# Allegro board 8880F5-0820_5.brd (continued)
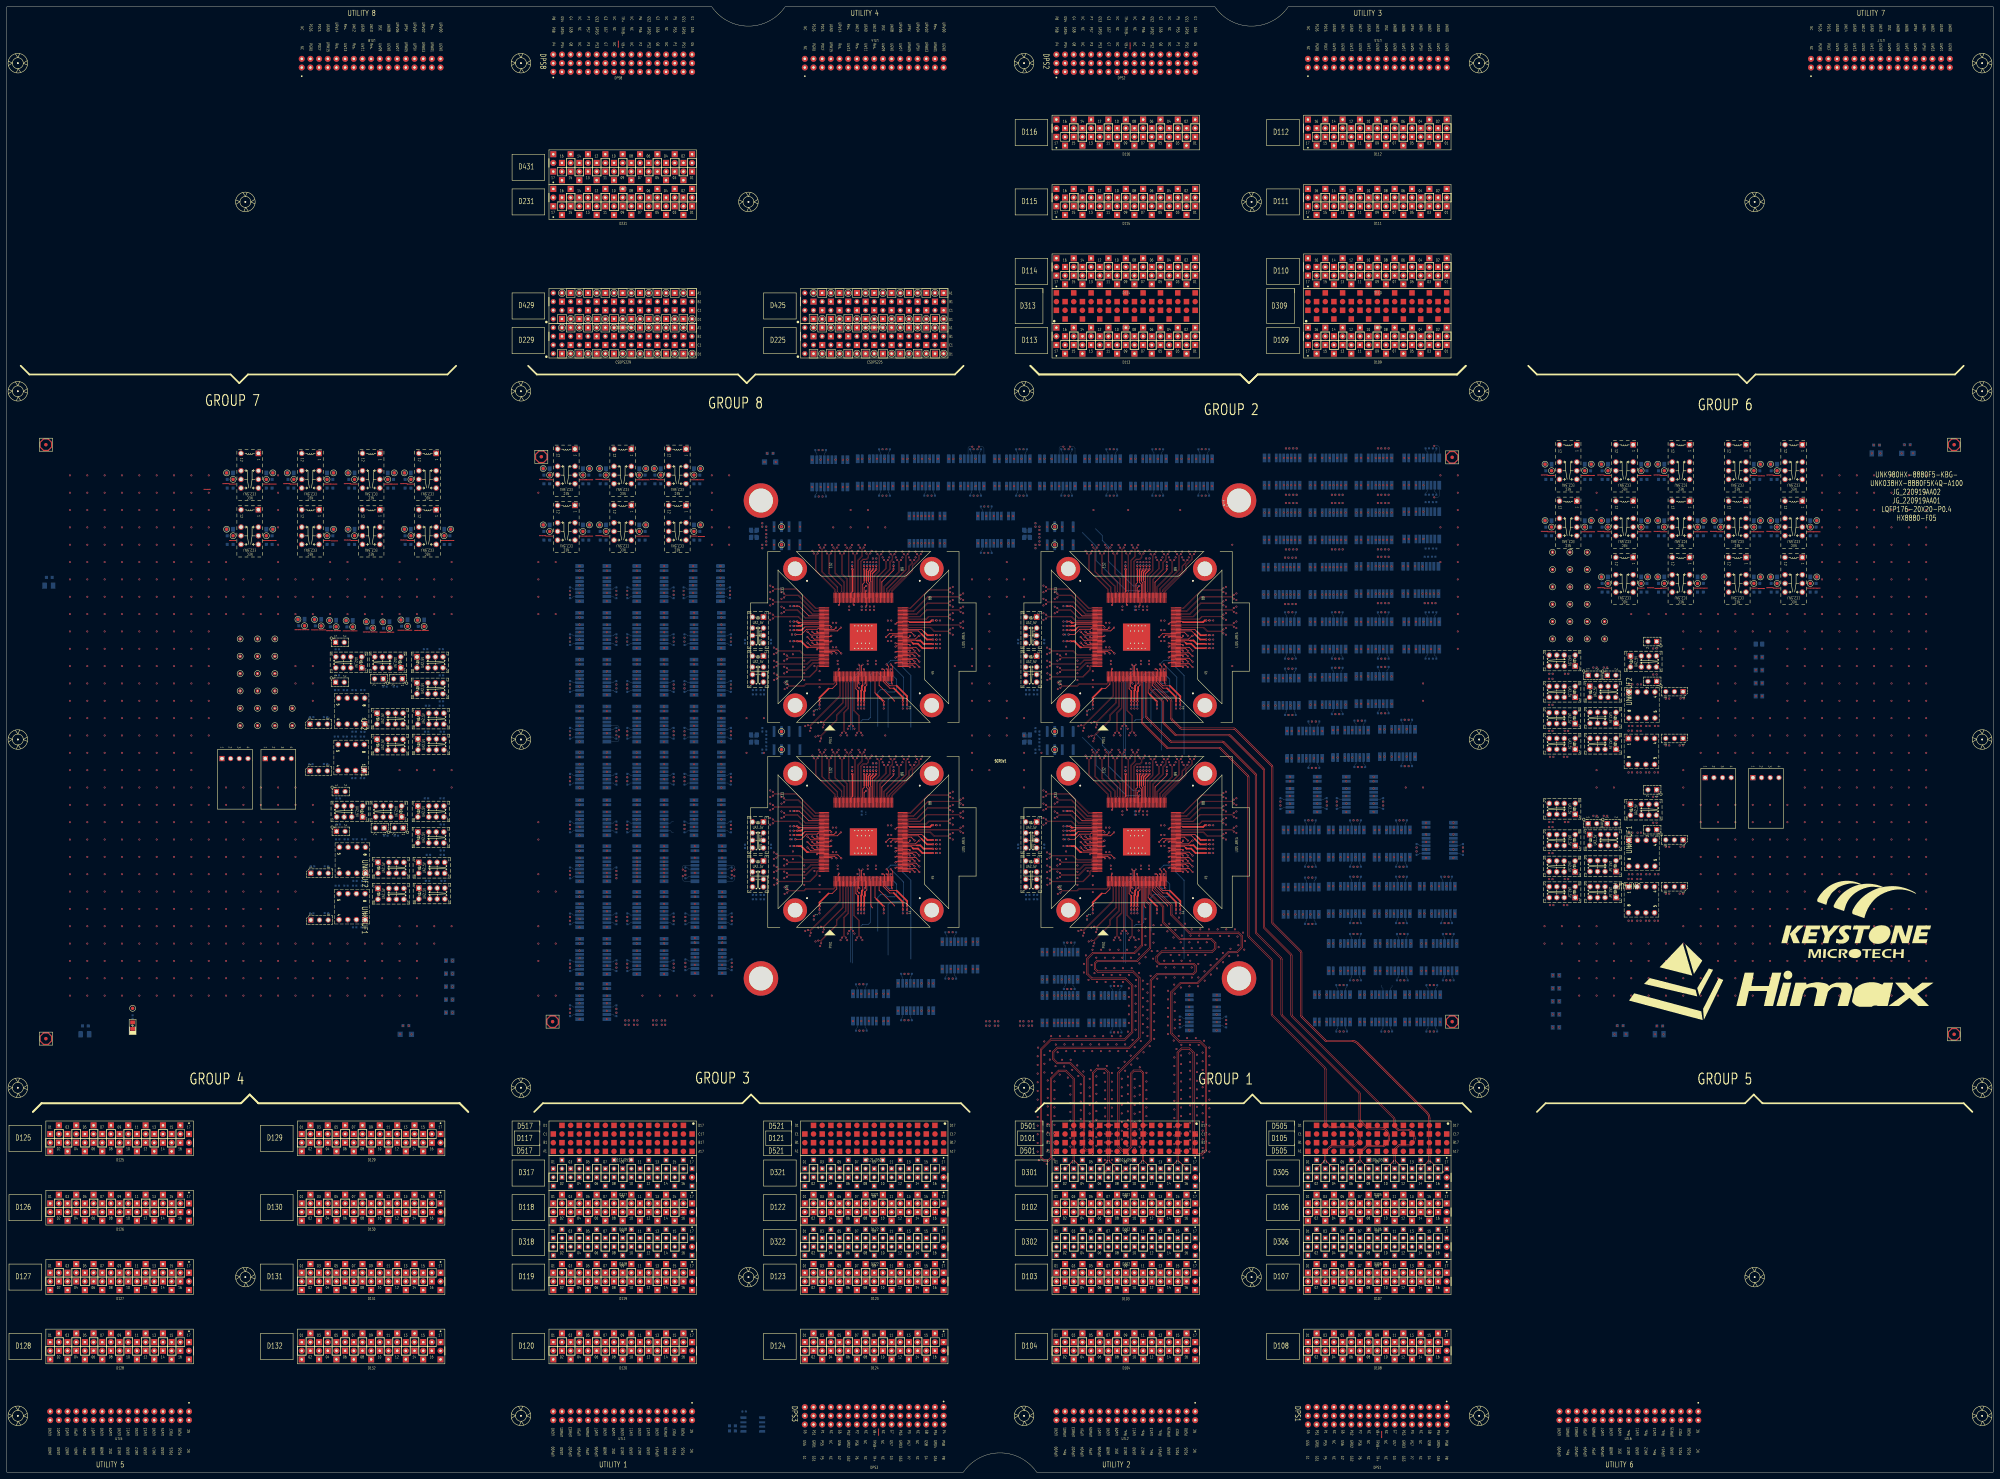
[diagram p0: board, top side]
## Routing (per net, layer and track width the routed paths; a pad name or vN(x,y) marks a point on that pad's centre or on a via; arc(x,y) is an arc through that point) (continued)
S1_DPS_F_012: length 8
  TOP w0.231: 232.2,248.83 SITE1.144
  TOP w0.508: v1(231.44,249.2) 231.81,248.83 232.2,248.83
  vias: v1(229.4,249.2)
S1_ISP00+: length 14.6
  TOP w0.086: v1(276.24,245.73) 275.81,246.16 271.56,246.16 270.41,247.31 264.06,247.31 263.98,247.23 SITE1.73
  vias: v1(270.04,280.1)
S1_ISP00-: length 14.6
  TOP w0.086: SITE1.74 263.98,247.63 264.06,247.55 270.51,247.55 271.66,246.4 275.77,246.4 v1(276.24,246.87)
  vias: v1(270.04,272.1)
S1_ISP14+: length 14.8
  TOP w0.086: v1(252.86,269.15) 252.42,268.71 252.42,267.92 251.76,267.26 250.73,267.26 250.15,266.68 250.15,257.86 250.23,257.78 SITE1.112
  vias: v1(265.64,280.1)
S1_ISP14-: length 14.8
  TOP w0.086: v1(251.72,269.15) 252.18,268.69 252.18,268.02 251.66,267.5 250.63,267.5 249.91,266.78 249.91,257.86 249.83,257.78 SITE1.113
  vias: v1(265.64,272.1)
S1_ISP_1LOCK:
  vias: v1(229.91,245.39)
S1_M_DPS_F_001: length 45.2
  TOP w0.231: SITE1.39 257.43,231.49 258.54,230.37 260.57,230.37 ; SITE1.147 233.7,247.63 233.24,247.18 ; 266.49,243.63 SITE1.64 ; 250.63,230.54 SITE1.22 ; SITE1.104 253.43,263.21
  TOP w0.381: 253.43,263.21 254.61,264.39 v1(254.61,264.54)
  TOP w0.508: 250.63,230.54 250.38,230.28 250.38,229.17 250.17,228.96 v1(250.17,225.75) ; 260.57,230.37 263.63,227.31 v1(263.63,225.75) ; v1(271.22,242.64) 268.48,242.64 267.49,243.63 266.49,243.63 ; 233.24,247.18 232.72,246.66 v1(231.44,246.66)
  vias: v1(229.4,246.66) v1(250.17,223.71) v1(254.61,266.58) v1(263.63,223.71) v1(273.27,242.64)
S1_PS9G_DCH001: length 3.7
  TOP w0.231: v1(249.63,229.63) 249.03,230.23 SITE1.18
S1_PS9G_DCH002: length 2.2
  TOP w0.231: SITE1.19 249.43,231.23 v1(249.63,231.03)
S1_PS9G_DCH003: length 2.2
  TOP w0.231: SITE1.24 251.43,231.23 v1(251.23,231.03)
S1_PS9G_DCH004: length 2.2
  TOP w0.231: v1(257.63,235.23) 257.83,235.03 SITE1.40
S1_PS9G_DCH005: length 2.2
  TOP w0.231: v1(264.43,235.83) 264.23,236.03 SITE1.45
S1_PS9G_DCH006: length 3.7
  TOP w0.231: v1(265.83,235.83) 265.23,236.43 SITE1.46
S1_PS9G_DCH007: length 5.3
  TOP w0.231: v1(267.23,235.83) 266.22,236.83 SITE1.47
S1_PS9G_DCH009: length 2.2
  TOP w0.231: v1(264.43,237.43) 264.23,237.63 SITE1.49
S1_PS9G_DCH010: length 3.7
  TOP w0.231: SITE1.50 265.23,238.03 v1(265.83,237.43)
S1_PS9G_DCH011: length 5.3
  TOP w0.231: v1(267.23,237.43) 266.22,238.43 SITE1.51
S1_PS9G_DCH014: length 3.7
  TOP w0.231: v1(265.83,239.03) 265.23,239.63 SITE1.54
S1_PS9G_DCH015: length 5.3
  TOP w0.231: SITE1.55 266.22,240.03 v1(267.23,239.03)
S1_PS9G_DCH022: length 5.3
  TOP w0.231: SITE1.65 266.05,244.03 267.05,245.03 v1(267.23,245.03)
S1_PS9G_DCH023: length 2.5
  TOP w0.231: SITE1.66 264.03,244.43 264.43,244.83 v1(264.43,245.03)
S1_PS9G_DCH027: length 3.9
  TOP w0.231: SITE1.70 264.83,246.03 v1(265.83,245.03)
S1_PS9G_DCH028: length 2.3
  TOP w0.231: v1(260.23,248.46) 260.6,248.83 SITE1.77
S1_PS9G_DCH029: length 2.2
  TOP w0.231: SITE1.118 247.83,254.23 v1(248.03,254.03)
S1_PS9G_DCH030: length 9.2
  TOP w0.231: v1(230.91,245.39) 232.63,245.39 234.16,246.91 237.3,246.91 237.62,247.23 SITE1.148
S1_PS9G_DCH035: length 5.3
  TOP w0.231: SITE1.153 235.44,245.23 v1(234.44,246.23)
S1_PS9G_DCH036: length 2.2
  TOP w0.231: v1(241.43,245.03) 241.23,244.83 SITE1.154
S1_PS9G_DCH037: length 2.2
  TOP w0.231: SITE1.155 237.43,244.43 v1(237.23,244.63)
S1_PS9G_DCH038: length 3.7
  TOP w0.231: v1(235.83,244.63) 236.43,244.03 SITE1.156
S1_PS9G_DCH039: length 5.3
  TOP w0.231: v1(234.44,244.63) 235.44,243.63 SITE1.157
S1_PS9G_DCH040: length 2.2
  TOP w0.231: SITE1.158 241.23,243.23 v1(241.43,243.43)
S1_RLY_001:
  vias: v1(167.7,222.95) v1(201.23,236.67)
S1_RLY_003:
  vias: v1(290.64,288.86) v1(303.84,288.86)
S1_RLY_005:
  vias: v1(330.51,288.86) v1(343.98,288.86)
S1_RLY_007:
  vias: v1(317.05,288.86)
S1_RLY_008:
  vias: v1(263.71,288.86) v1(293.31,280.1)
S1_RLY_016:
  vias: v1(244.8,296.61) v1(250.5,288.86)
S1_RLY_018:
  vias: v1(232.25,276.97)
S1_RLY_021:
  vias: v1(167.7,264.1) v1(277.17,288.86)
S1_RLY_022:
  vias: v1(167.7,236.67) v1(201.23,250.38)
S1_RLY_023:
  vias: v1(184.47,236.67)
S1_RLY_025:
  vias: v1(167.7,250.38) v1(200.98,264.1)
S1_RLY_026:
  vias: v1(184.47,250.38)
S1_RLY_030:
  vias: v1(184.47,264.1)
S1_RLY_043:
  vias: v1(273.24,280.1)
S1_SCAN_DCH008: length 2.2
  TOP w0.231: v1(260.23,237.03) 260.43,237.23 SITE1.48
S1_SCAN_DCH012: length 2.2
  TOP w0.231: v1(260.23,238.63) 260.43,238.83 SITE1.52
S1_SCAN_DCH013: length 2.2
  TOP w0.231: SITE1.53 264.23,239.23 v1(264.43,239.03)
S1_SCAN_DCH016: length 2.2
  TOP w0.231: SITE1.56 260.43,240.43 v1(260.23,240.23)
S1_SCAN_DCH017: length 2.2
  TOP w0.231: SITE1.57 264.23,240.83 v1(264.43,240.63)
S1_SCAN_DCH018: length 3.7
  TOP w0.231: v1(265.83,240.63) 265.23,241.23 SITE1.58
S1_SCAN_DCH019: length 5.3
  TOP w0.231: SITE1.59 266.22,241.63 v1(267.23,240.63)
S1_SCAN_DCH020: length 2.2
  TOP w0.231: v1(260.23,241.83) 260.43,242.03 SITE1.60
S1_SCAN_DCH021: length 2.2
  TOP w0.231: v1(264.43,242.23) 264.23,242.43 SITE1.61
S1_SCAN_DCH024: length 2.2
  TOP w0.231: SITE1.67 260.43,244.83 v1(260.23,244.63)
S1_SCAN_DCH025: length 3.7
  TOP w0.231: v1(258.83,244.63) 259.43,245.23 SITE1.68
S1_SCAN_DCH026: length 5.3
  TOP w0.231: v1(257.44,244.63) 258.44,245.63 SITE1.69
S1_SCAN_DCH031: length 3.7
  TOP w0.231: v1(242.83,247.43) 242.23,246.83 SITE1.149
S1_SCAN_DCH032: length 5.3
  TOP w0.231: SITE1.150 243.22,246.43 v1(244.22,247.43)
S1_SCAN_DCH033: length 2.2
  TOP w0.231: SITE1.151 237.43,246.03 v1(237.23,246.23)
S1_SCAN_DCH034: length 3.7
  TOP w0.231: SITE1.152 236.43,245.63 v1(235.83,246.23)
S1_SPI_CSN: length 25.9
  TOP w0.231: v1(259.23,231.03) 259.03,231.23 SITE1.43
  BOTTOM w0.231: 250.11,219.95 250.61,220.44 252.25,220.44 252.91,221.11 252.91,233.59 253.58,234.25 255.17,234.25 258.4,231.03 v1(259.23,231.03)
S1_SPI_SCK: length 25.3
  TOP w0.231: v1(258.83,235.23) 258.63,235.03 SITE1.42
  BOTTOM w0.231: v1(258.83,235.23) 258.83,233.98 260.53,232.28 260.53,229.11 259.96,228.54 257.9,228.54 257.17,229.27 255.92,229.27 255.03,228.39 255.03,218.48
S1_SPI_SDI: length 27.5
  TOP w0.231: v1(258.83,236.63) 259.43,236.03 SITE1.44
  BOTTOM w0.231: v1(258.83,236.63) 262.6,232.86 262.6,227.63 262.04,227.06 258.85,227.06 258.07,226.28 258.07,218.19
S1_SPI_SDO: length 29.1
  TOP w0.231: SITE1.41 258.23,236.03 v1(257.63,236.63)
  BOTTOM w0.231: 264.72,218.19 264.72,233.4 262.29,235.83 262.29,237.04 261.5,237.83 258.83,237.83 v1(257.63,236.63)
S1_XTAL_IN: length 2.2
  TOP w0.231: SITE1.109 251.43,258.03 v1(251.63,258.23)
  vias: v1(226.85,271.67)
S1_XTAL_OUT: length 3.7
  TOP w0.231: v1(251.63,259.63) 251.03,259.03 SITE1.110
  vias: v1(226.85,276.97)
S2_1TX_100DCH001+:
  vias: v1(388.49,257.11)
S2_1TX_100DCH001-:
  vias: v1(388.49,265.11)
S2_1TX_100DCH002+: length 17.2
  TOP w0.086: v1(359.29,247.66) 358.84,248.11 344.06,248.11 343.98,248.03 SITE2.75
S2_1TX_100DCH002-: length 17.2
  TOP w0.086: SITE2.76 343.98,248.43 344.06,248.35 358.84,248.35 v1(359.29,248.8)
S2_1TX_100DCH003+: length 14.5
  TOP w0.086: SITE2.79 343.98,249.63 344.06,249.71 349.2,249.71 350.02,250.53 355.8,250.53 v1(356.24,250.09)
S2_1TX_100DCH003-: length 14.5
  TOP w0.086: SITE2.80 343.98,250.03 344.06,249.95 349.1,249.95 349.92,250.77 355.78,250.77 v1(356.24,251.23)
S2_1TX_100DCH004+: length 18
  TOP w0.086: v1(359.29,252.02) 358.8,252.51 349.46,252.51 347.46,250.51 344.06,250.51 343.98,250.43 SITE2.81
S2_1TX_100DCH004-: length 18
  TOP w0.086: SITE2.82 343.98,250.83 344.06,250.75 347.37,250.75 349.36,252.75 358.88,252.75 v1(359.29,253.16)
S2_1TX_100DCH005+: length 15.4
  TOP w0.086: SITE2.83 343.98,251.23 344.06,251.31 346.53,251.31 349.61,254.39 355.8,254.39 v1(356.24,253.95)
  vias: v1(402.48,251.9)
S2_1TX_100DCH005-: length 15.4
  TOP w0.086: v1(356.24,255.09) 355.78,254.63 349.51,254.63 346.43,251.55 344.06,251.55 343.98,251.63 SITE2.84
  vias: v1(403.63,251.9)
S2_1TX_100DCH006+: length 19
  TOP w0.086: SITE2.85 343.98,252.03 344.06,252.11 345.58,252.11 349.82,256.36 358.81,256.36 v1(359.29,255.88)
  vias: v1(402.48,238.32)
S2_1TX_100DCH006-: length 18.9
  TOP w0.086: SITE2.86 343.98,252.43 344.06,252.35 345.48,252.35 349.73,256.6 358.87,256.6 v1(359.29,257.02)
  vias: v1(403.63,238.32)
S2_1TX_100DCH007+: length 16.3
  TOP w0.086: SITE2.87 343.98,252.83 344.06,252.91 344.57,252.91 349.88,258.23 355.83,258.23 v1(356.24,257.81)
  vias: v1(375.56,283.91)
S2_1TX_100DCH007-: length 16.4
  TOP w0.086: SITE2.88 343.98,253.23 344.06,253.15 344.47,253.15 349.78,258.47 355.76,258.47 v1(356.24,258.95)
  vias: v1(376.7,283.91)
S2_2AUX+:
  vias: v1(290.31,132.08) v1(290.31,130.81)
S2_2AUX-:
  vias: v1(286.77,130.81) v1(287.77,132.08)
S2_2TX_100DCH001+: length 16.3
  TOP w0.086: SITE2.89 339.43,257.78 339.35,257.86 339.35,258.16 345.32,264.13 345.32,265.52 347.21,267.41 347.21,268.5 v1(347.64,268.93)
  vias: v1(375.56,270.32)
S2_2TX_100DCH001-: length 16.3
  TOP w0.086: 346.97,268.48 346.97,268.46 ; 346.97,268.46 v1(346.5,268.93) ; 346.97,268.46 346.97,267.51 345.08,265.62 345.08,264.23 339.11,258.26 339.11,257.86 339.03,257.78 SITE2.90
  vias: v1(376.7,270.32)
S2_2TX_100DCH002+: length 14.1
  TOP w0.086: SITE2.91 338.63,257.78 338.55,257.86 338.55,258.23 344.35,264.04 344.35,265.37 345.28,266.31 345.28,266.78 v1(345.72,267.21)
  vias: v1(402.48,268.16)
S2_2TX_100DCH002-: length 14.1
  TOP w0.086: v1(344.57,267.21) 345.04,266.74 345.04,266.4 344.11,265.47 344.11,264.13 338.31,258.33 338.31,257.86 338.23,257.78 SITE2.92
  vias: v1(403.63,268.16)
S2_2TX_100DCH003+: length 15.3
  TOP w0.086: SITE2.93 337.83,257.78 337.75,257.86 337.75,258.68 343.34,264.27 343.34,268.49 v1(343.79,268.93)
  vias: v1(402.48,254.57)
S2_2TX_100DCH003-: length 15.3
  TOP w0.086: v1(342.64,268.93) 343.1,268.47 343.1,264.37 337.51,258.78 337.51,257.86 337.43,257.78 SITE2.94
  vias: v1(403.63,254.57)
S2_2TX_100DCH004+: length 13.1
  TOP w0.086: v1(341.86,267.21) 341.41,266.77 341.41,263.74 336.95,259.28 336.95,257.86 337.03,257.78 SITE2.95
  vias: v1(402.48,283.91)
S2_2TX_100DCH004-: length 13.2
  TOP w0.086: v1(340.71,267.21) 341.17,266.75 341.17,263.84 336.71,259.38 336.71,257.86 336.63,257.78 SITE2.96
  vias: v1(403.63,283.91)
S2_2TX_100DCH005+: length 14.6
  TOP w0.086: v1(339.93,268.93) 339.46,268.47 339.46,267.3 338.7,266.53 338.7,264.43 335.75,261.48 335.75,257.86 335.83,257.78 SITE2.98
  vias: v1(402.48,270.32)
S2_2TX_100DCH005-: length 14.6
  TOP w0.086: v1(338.78,268.93) 339.22,268.49 339.22,267.39 338.46,266.63 338.46,264.53 335.51,261.58 335.51,257.86 335.43,257.78 SITE2.99
  vias: v1(403.63,270.32)
S2_2TX_100DCH006+: length 12.4
  TOP w0.086: v1(338,267.21) 337.55,266.76 337.55,264.67 334.95,262.07 334.95,257.86 335.03,257.78 SITE2.100
  vias: v1(389.02,283.91)
S2_2TX_100DCH006-: length 12.4
  TOP w0.086: SITE2.101 334.63,257.78 334.71,257.86 334.71,262.17 337.31,264.77 337.31,266.76 v1(336.85,267.21)
  vias: v1(390.16,283.91)
S2_2TX_100DCH007+: length 13.6
  TOP w0.086: SITE2.102 334.23,257.78 334.15,257.86 334.15,262.58 335.64,264.07 335.64,268.51 v1(336.07,268.93)
  vias: v1(389.02,270.32)
S2_2TX_100DCH007-: length 13.7
  TOP w0.086: v1(334.93,268.93) 335.4,268.46 335.4,264.17 333.91,262.68 333.91,257.86 333.83,257.78 SITE2.103
  vias: v1(390.16,270.32)
S2_3TX_100DCH002+: length 15.4
  TOP w0.086: v1(330.93,270.87) 330.46,270.4 330.46,268.18 329.35,267.06 329.35,257.86 329.43,257.78 SITE2.114
  vias: v1(389.02,286.32)
S2_3TX_100DCH002-: length 15.4
  TOP w0.086: SITE2.115 329.03,257.78 329.11,257.86 329.11,267.16 330.22,268.28 330.22,270.43 v1(329.79,270.87)
  vias: v1(390.16,286.32)
S2_3TX_100DCH003+: length 13.2
  TOP w0.086: v1(328.93,269.15) 328.55,268.77 328.55,257.86 328.63,257.78 SITE2.116
S2_3TX_100DCH003-: length 13.3
  TOP w0.086: SITE2.117 328.23,257.78 328.31,257.86 328.31,268.63 v1(327.79,269.15)
S2_3TX_100DCH004+: length 15.1
  TOP w0.086: v1(327.07,270.87) 326.61,270.41 326.61,262.62 326.95,262.28 326.95,257.86 327.03,257.78 SITE2.120
  vias: v1(416.2,254.57)
S2_3TX_100DCH004-: length 15.1
  TOP w0.086: v1(325.93,270.87) 326.38,270.42 326.38,262.52 326.71,262.19 326.71,257.86 326.63,257.78 SITE2.121
  vias: v1(417.34,254.57)
S2_3TX_100DCH005+: length 13.8
  TOP w0.086: v1(325.14,269.15) 324.69,268.7 324.69,263.17 326.15,261.71 326.15,257.86 326.23,257.78 SITE2.122
  vias: v1(375.3,267.91)
S2_3TX_100DCH005-: length 13.8
  TOP w0.086: SITE2.123 325.83,257.78 325.91,257.86 325.91,261.61 324.46,263.07 324.46,268.69 v1(324,269.15)
  vias: v1(376.45,267.91)
S2_3TX_100DCH006+: length 16.1
  TOP w0.086: SITE2.124 325.43,257.78 325.35,257.86 325.35,260.75 322.73,263.37 322.73,270.45 v1(323.16,270.88)
  vias: v1(375.3,254.32)
S2_3TX_100DCH006-: length 16.1
  TOP w0.086: SITE2.125 325.03,257.78 325.11,257.86 325.11,260.65 322.49,263.28 322.49,270.41 v1(322.02,270.88)
  vias: v1(376.45,254.32)
S2_3TX_100DCH007+: length 14.8
  TOP w0.086: SITE2.126 324.63,257.78 324.55,257.86 324.55,259.62 320.83,263.34 320.83,268.7 v1(321.28,269.15)
  vias: v1(375.56,299.91)
S2_3TX_100DCH007-: length 14.8
  TOP w0.086: SITE2.127 324.23,257.78 324.31,257.86 324.31,259.52 320.59,263.24 320.59,268.7 v1(320.14,269.15)
  vias: v1(376.7,299.91)
S2_4TX_100DCH001+: length 16.8
  TOP w0.086: v1(319.3,270.88) 318.85,270.43 318.85,263.79 323.35,259.29 323.35,257.86 323.43,257.78 SITE2.129
  vias: v1(375.56,286.32)
S2_4TX_100DCH001-: length 16.8
  TOP w0.086: SITE2.130 323.03,257.78 323.11,257.86 323.11,259.19 318.61,263.69 318.61,270.43 v1(318.16,270.88)
  vias: v1(376.7,286.32)
S2_4TX_100DCH002+: length 15.6
  TOP w0.086: SITE2.131 322.63,257.78 322.55,257.86 322.55,258.66 316.97,264.24 316.97,268.69 v1(317.43,269.15)
  vias: v1(402.48,299.91)
S2_4TX_100DCH002-: length 15.6
  TOP w0.086: SITE2.132 322.23,257.78 322.31,257.86 322.31,258.56 316.73,264.14 316.73,268.71 v1(316.28,269.15)
  vias: v1(403.63,299.91)
S2_4TX_100DCH003+: length 17.6
  TOP w0.086: v1(304.31,259.31) 304.75,258.87 311.22,258.87 316.94,253.15 317.6,253.15 317.68,253.23 SITE2.133
  vias: v1(402.48,286.32)
S2_4TX_100DCH003-: length 17.6
  TOP w0.086: SITE2.134 317.68,252.83 317.6,252.91 316.84,252.91 311.12,258.63 304.77,258.63 v1(304.31,258.17)
  vias: v1(403.63,286.32)
S2_4TX_100DCH004+: length 13.8
  TOP w0.086: SITE2.135 317.68,252.43 317.6,252.35 316.46,252.35 311.86,256.95 308.04,256.95 v1(307.6,257.38)
  vias: v1(375.3,251.9)
S2_4TX_100DCH004-: length 13.9
  TOP w0.086: v1(307.6,256.24) 308.07,256.71 311.76,256.71 316.36,252.11 317.6,252.11 317.68,252.03 SITE2.136
  vias: v1(376.45,251.9)
S2_4TX_100DCH005+: length 16.7
  TOP w0.086: SITE2.137 317.68,251.63 317.6,251.55 315.88,251.55 312.43,255.01 304.75,255.01 v1(304.31,255.45)
  vias: v1(375.3,238.32)
S2_4TX_100DCH005-: length 16.7
  TOP w0.086: v1(304.31,254.31) 304.76,254.77 312.33,254.77 315.78,251.31 317.6,251.31 317.68,251.23 SITE2.138
  vias: v1(376.45,238.32)
S2_4TX_100DCH006+: length 12.9
  TOP w0.086: v1(307.6,253.14) 308.04,252.7 311.52,252.7 313.87,250.35 317.6,250.35 317.68,250.43 SITE2.140
S2_4TX_100DCH006-: length 12.9
  TOP w0.086: SITE2.141 317.68,250.03 317.6,250.11 313.78,250.11 311.43,252.46 308.06,252.46 v1(307.6,252)
S2_4TX_100DCH007+: length 15.7
  TOP w0.086: v1(304.31,251.21) 304.76,250.76 311.83,250.76 313.04,249.55 317.6,249.55 317.68,249.63 SITE2.142
S2_4TX_100DCH007-: length 15.7
  TOP w0.086: v1(304.31,250.07) 304.76,250.52 311.73,250.52 312.94,249.31 317.6,249.31 317.68,249.23 SITE2.143
S2_AUX_100DCH002+:
  vias: v1(289.31,132.08)
S2_AUX_100DCH002-:
  vias: v1(286.77,132.08)
S2_AUXCH+: length 32.3
  TOP w0.203: SITE2.21 330.23,236.2 v2(330.6,236.57)
  BOTTOM w0.203: v2(330.6,236.57) 330.3,236.28 330.3,234.52 327.57,231.79 327.57,209.14
S2_AUXCH-: length 32.1
  TOP w0.203: v2(329.46,236.57) 329.83,236.2 SITE2.20
  BOTTOM w0.203: 327.02,209.37 327.02,232.02 329.76,234.75 329.76,236.28 v2(329.46,236.57)
S2_AVDD11_RX: length 8.4
  TOP w0.231: 334.67,227.85 334.23,228.29 SITE2.31
  TOP w0.508: v1(336.77,225.75) 334.67,227.85
  vias: v1(336.77,223.71)
S2_AVDD11_XTAL: length 8.8
  TOP w0.231: SITE2.105 333.03,260.95 332.87,261.11 332.87,261.45
  TOP w0.381: 332.87,261.45 332.87,263.59 333.72,264.44 v1(333.72,264.54)
  vias: v1(333.72,266.58)
S2_AVDD18_RX: length 7.7
  TOP w0.231: 331.28,230.01 331.83,230.56 SITE2.25
  TOP w0.508: v1(331.06,225.75) 331.06,228.68 331.28,228.9 331.28,230.01
  vias: v1(331.06,223.71)
S2_DCH041: length 2.2
  TOP w0.231: SITE2.159 317.43,242.83 v1(317.23,243.03)
S2_DCH042: length 3.7
  TOP w0.231: v1(315.83,243.03) 316.43,242.43 SITE2.160
S2_DCH043: length 5.3
  TOP w0.231: v1(314.43,243.03) 315.44,242.03 SITE2.161
S2_DCH044: length 2.2
  TOP w0.231: SITE2.163 317.43,241.23 v1(317.23,241.03)
S2_DCH045: length 5.4
  TOP w0.231: SITE2.164 323.35,240.83 v1(324.35,239.83)
S2_DCH046: length 3.9
  TOP w0.231: v1(322.95,239.83) 322.35,240.43 SITE2.165
S2_DCH047: length 2.3
  TOP w0.231: SITE2.166 321.36,240.03 v1(321.56,239.83)
S2_DCH048:
  vias: v1(309.05,276.97)
S2_DCH049:
  vias: v1(309.05,271.67)
S2_DPS_F_001:
  vias: v1(287.77,130.81)
S2_DPS_F_002: length 10.1
  TOP w0.231: SITE2.3 323.03,230.86 321.72,229.55 320.65,229.55
  TOP w0.508: 320.65,229.55 317.98,226.88 v1(317.98,225.75)
  vias: v1(316.32,222.9) v1(317.98,223.71)
S2_DPS_F_003: length 63.1
  TOP w0.231: 314.63,241.63 SITE2.162 ; SITE2.63 344.9,243.23 345.2,242.93 ; 331.69,261.16 331.69,260.65 332.23,260.11 SITE2.107 ; SITE2.17 328.63,229.5 329.28,228.85 ; 312.83,248.18 313.08,248.43 SITE2.145 ; 339.73,229.66 338.57,229.66 336.63,231.59 SITE2.37 ; 347.84,245.53 346.94,246.43 SITE2.71
  TOP w0.381: v1(331.94,264.54) 331.69,264.28 331.69,261.16
  TOP w0.508: 312.83,248.18 312.58,247.93 v1(311.44,247.93) ; 314.63,241.63 314.37,241.63 312.59,243.41 v1(311.44,243.41) ; 345.2,242.93 345.45,242.67 346.8,242.67 348.11,241.37 v1(351.22,241.37) ; 342.36,225.75 342.36,227.02 339.73,229.66 ; v1(351.22,243.91) 349.45,243.91 347.84,245.53 ; v1(329.28,225.75) 329.28,228.85
  vias: v1(309.4,247.93) v1(309.4,243.41) v1(329.28,223.71) v1(331.94,266.58) v1(342.36,223.71) v1(353.27,243.91) v1(353.27,241.37) v1(464.57,235.71)
S2_DPS_F_006: length 9.6
  TOP w0.231: 348.55,246.19 347.92,246.83 SITE2.72
  TOP w0.508: v1(351.22,245.18) 349.56,245.18 348.55,246.19
  vias: v1(339,246.67) v1(353.27,245.18)
S2_DPS_F_007: length 19
  TOP w0.231: SITE2.78 344.15,249.23 344.37,249.01 ; v1(339.65,264.54) 339.65,264.13 336.23,260.71 SITE2.97
  TOP w0.508: 344.37,249.01 350.31,249.01 350.8,249.5 v1(351.22,249.5)
  vias: v1(339.65,266.58) v1(353.27,249.5)
S2_DPS_F_009: length 8.8
  TOP w0.231: 332.26,261.12 332.26,260.9 332.63,260.53 SITE2.106
  TOP w0.381: v1(332.83,264.54) 332.83,264.39 332.26,263.82 332.26,261.12
  vias: v1(332.83,266.58) v1(333.61,267.66)
S2_DPS_F_010: length 8.6
  TOP w0.231: SITE2.111 330.63,260.15 331.05,260.57 331.05,261.13
  TOP w0.381: 331.05,261.13 v1(331.05,264.54)
  vias: v1(330.63,253.59) v1(331.05,266.58)
S2_DPS_F_011: length 17.6
  TOP w0.231: SITE2.119 327.43,257.79 327.64,258.01 ; v1(311.44,253.69) 312.01,253.69 314.87,250.83 SITE2.139
  TOP w0.508: v1(327.57,264.54) 327.64,264.47 327.64,258.01
  vias: v1(309.4,253.69) v1(327.57,266.58)
S2_DPS_F_012: length 8
  TOP w0.231: 312.2,248.83 SITE2.144
  TOP w0.508: v1(311.44,249.2) 311.81,248.83 312.2,248.83
  vias: v1(309.4,249.2)
S2_DPS_F_013:
  vias: v1(452.62,232.41) v1(452.62,224.79) v1(457.25,233.88) v1(474.87,217.23) v1(474.89,204.98) v1(474.99,218.59) v1(475.99,230.78) v1(478.43,217.17) v1(478.43,204.98) v1(478.53,230.78) v1(478.53,218.59) v1(480.97,204.98) v1(481.07,218.59) v1(482.1,241.3) v1(482.1,233.68) v1(483.51,204.98) v1(483.61,218.59) v1(489.86,212.91) v1(490.1,226.67)
S2_ISP00+: length 14.6
  TOP w0.086: SITE2.73 343.98,247.23 344.06,247.31 350.41,247.31 351.56,246.16 355.81,246.16 v1(356.24,245.73)
  vias: v1(386.29,257.11)
S2_ISP00-: length 14.6
  TOP w0.086: SITE2.74 343.98,247.63 344.06,247.55 350.51,247.55 351.66,246.4 355.77,246.4 v1(356.24,246.87)
  vias: v1(386.29,265.11)
S2_ISP14+: length 14.8
  TOP w0.086: v1(332.86,269.15) 332.42,268.71 332.42,267.92 331.76,267.26 330.73,267.26 330.15,266.68 330.15,257.86 330.23,257.78 SITE2.112
  vias: v1(390.69,257.11)
S2_ISP14-: length 14.8
  TOP w0.086: SITE2.113 329.83,257.78 329.91,257.86 329.91,266.78 330.63,267.5 331.66,267.5 332.18,268.02 332.18,268.69 v1(331.72,269.15)
  vias: v1(390.69,265.11)
S2_M_DPS_F_001: length 45.2
  TOP w0.231: 330.63,230.54 SITE2.22 ; SITE2.147 313.7,247.63 313.24,247.18 ; SITE2.104 333.43,263.21 ; 340.57,230.37 338.54,230.37 337.43,231.49 SITE2.39 ; 346.49,243.63 SITE2.64
  TOP w0.381: v1(334.61,264.54) 334.61,264.39 333.43,263.21
  TOP w0.508: 313.24,247.18 312.72,246.66 v1(311.44,246.66) ; v1(330.17,225.75) 330.17,228.96 330.38,229.17 330.38,230.28 330.63,230.54 ; v1(343.63,225.75) 343.63,227.31 340.57,230.37 ; v1(351.22,242.64) 348.48,242.64 347.49,243.63 346.49,243.63
  vias: v1(309.4,246.66) v1(330.17,223.71) v1(334.61,266.58) v1(343.63,223.71) v1(353.27,242.64)
S2_PS9G_DCH001: length 3.7
  TOP w0.231: v1(329.63,229.63) 329.03,230.23 SITE2.18
S2_PS9G_DCH002: length 2.2
  TOP w0.231: v1(329.63,231.03) 329.43,231.23 SITE2.19
S2_PS9G_DCH003: length 2.2
  TOP w0.231: SITE2.24 331.43,231.23 v1(331.23,231.03)
S2_PS9G_DCH004: length 2.2
  TOP w0.231: SITE2.40 337.83,235.03 v1(337.63,235.23)
S2_PS9G_DCH005: length 2.2
  TOP w0.231: v1(344.43,235.83) 344.23,236.03 SITE2.45
S2_PS9G_DCH006: length 3.7
  TOP w0.231: v1(345.83,235.83) 345.23,236.43 SITE2.46
S2_PS9G_DCH007: length 5.3
  TOP w0.231: v1(347.22,235.83) 346.22,236.83 SITE2.47
S2_PS9G_DCH009: length 2.2
  TOP w0.231: v1(344.43,237.43) 344.23,237.63 SITE2.49
S2_PS9G_DCH010: length 3.7
  TOP w0.231: SITE2.50 345.23,238.03 v1(345.83,237.43)
S2_PS9G_DCH011: length 5.3
  TOP w0.231: SITE2.51 346.22,238.43 v1(347.22,237.43)
S2_PS9G_DCH014: length 3.7
  TOP w0.231: SITE2.54 345.23,239.63 v1(345.83,239.03)
S2_PS9G_DCH015: length 5.3
  TOP w0.231: SITE2.55 346.22,240.03 v1(347.22,239.03)
S2_PS9G_DCH022: length 5.3
  TOP w0.231: SITE2.65 346.05,244.03 347.05,245.03 v1(347.22,245.03)
S2_PS9G_DCH023: length 2.5
  TOP w0.231: SITE2.66 344.03,244.43 344.43,244.83 v1(344.43,245.03)
S2_PS9G_DCH027: length 3.9
  TOP w0.231: SITE2.70 344.83,246.03 v1(345.83,245.03)
S2_PS9G_DCH028: length 2.3
  TOP w0.231: SITE2.77 340.6,248.83 v1(340.23,248.46)
S2_PS9G_DCH029: length 2.2
  TOP w0.231: v1(328.03,254.03) 327.83,254.23 SITE2.118
S2_PS9G_DCH030: length 9.2
  TOP w0.231: v1(310.91,245.39) 312.63,245.39 314.16,246.91 317.3,246.91 317.62,247.23 SITE2.148
S2_PS9G_DCH035: length 5.3
  TOP w0.231: v1(314.43,246.23) 315.44,245.23 SITE2.153
S2_PS9G_DCH036: length 2.2
  TOP w0.231: v1(321.43,245.03) 321.23,244.83 SITE2.154
S2_PS9G_DCH037: length 2.2
  TOP w0.231: SITE2.155 317.43,244.43 v1(317.23,244.63)
S2_PS9G_DCH038: length 3.7
  TOP w0.231: v1(315.83,244.63) 316.43,244.03 SITE2.156
S2_PS9G_DCH039: length 5.3
  TOP w0.231: SITE2.157 315.44,243.63 v1(314.43,244.63)
S2_PS9G_DCH040: length 2.2
  TOP w0.231: SITE2.158 321.23,243.23 v1(321.43,243.43)
S2_RLY_001:
  vias: v1(410.52,289.12) v1(410.52,273.37)
S2_RLY_003:
  vias: v1(369.63,273.11) v1(396.55,241.11)
S2_RLY_005:
  vias: v1(396.55,273.11) v1(396.55,257.37)
S2_RLY_007:
  vias: v1(383.09,273.11)
S2_RLY_008:
  vias: v1(383.09,289.12) v1(410.27,257.37)
S2_RLY_016:
  vias: v1(369.38,257.11) v1(369.63,289.12)
S2_RLY_018:
  vias: v1(312.25,276.97)
S2_RLY_021:
  vias: v1(369.38,241.11) v1(396.55,289.12)
S2_RLY_022:
  vias: v1(369.38,224.6) v1(383.09,241.11)
S2_RLY_023:
  vias: v1(383.09,224.85)
S2_RLY_025:
  vias: v1(376.23,209.11) v1(396.55,225.11)
S2_RLY_026:
  vias: v1(389.7,209.36)
S2_RLY_030:
  vias: v1(410.52,241.11)
S2_RLY_043:
  vias: v1(383.09,257.11)
S2_SCAN_DCH008: length 2.2
  TOP w0.231: SITE2.48 340.43,237.23 v1(340.23,237.03)
S2_SCAN_DCH012: length 2.2
  TOP w0.231: SITE2.52 340.43,238.83 v1(340.23,238.63)
S2_SCAN_DCH013: length 2.2
  TOP w0.231: v1(344.43,239.03) 344.23,239.23 SITE2.53
S2_SCAN_DCH016: length 2.2
  TOP w0.231: SITE2.56 340.43,240.43 v1(340.23,240.23)
S2_SCAN_DCH017: length 2.2
  TOP w0.231: SITE2.57 344.23,240.83 v1(344.43,240.63)
S2_SCAN_DCH018: length 3.7
  TOP w0.231: SITE2.58 345.23,241.23 v1(345.83,240.63)
S2_SCAN_DCH019: length 5.3
  TOP w0.231: SITE2.59 346.22,241.63 v1(347.22,240.63)
S2_SCAN_DCH020: length 2.2
  TOP w0.231: v1(340.23,241.83) 340.43,242.03 SITE2.60
S2_SCAN_DCH021: length 2.2
  TOP w0.231: SITE2.61 344.23,242.43 v1(344.43,242.23)
S2_SCAN_DCH024: length 2.2
  TOP w0.231: v1(340.23,244.63) 340.43,244.83 SITE2.67
S2_SCAN_DCH025: length 3.7
  TOP w0.231: SITE2.68 339.43,245.23 v1(338.83,244.63)
S2_SCAN_DCH026: length 5.3
  TOP w0.231: v1(337.44,244.63) 338.44,245.63 SITE2.69
S2_SCAN_DCH031: length 3.7
  TOP w0.231: SITE2.149 322.23,246.83 v1(322.83,247.43)
S2_SCAN_DCH032: length 5.3
  TOP w0.231: v1(324.22,247.43) 323.22,246.43 SITE2.150
S2_SCAN_DCH033: length 2.2
  TOP w0.231: SITE2.151 317.43,246.03 v1(317.23,246.23)
S2_SCAN_DCH034: length 3.7
  TOP w0.231: v1(315.83,246.23) 316.43,245.63 SITE2.152